# Altium PCB PCB_Kasli.PCBDOC (part 8 of 16)
Units mm, origin at the board's own origin, x right, y up, seen from the top; angles counter-clockwise.
Board outline 200.3 x 100 mm, 6 copper layers (TopLayer, MidLayer1, MidLayer2, SignalLayer1, Internal Plane 1, BottomLayer), stack 1.528 mm thick; 775 components, 636 nets, 3136 pads, 1724 vias.
Unrouted connection lines stored in the file: 7.
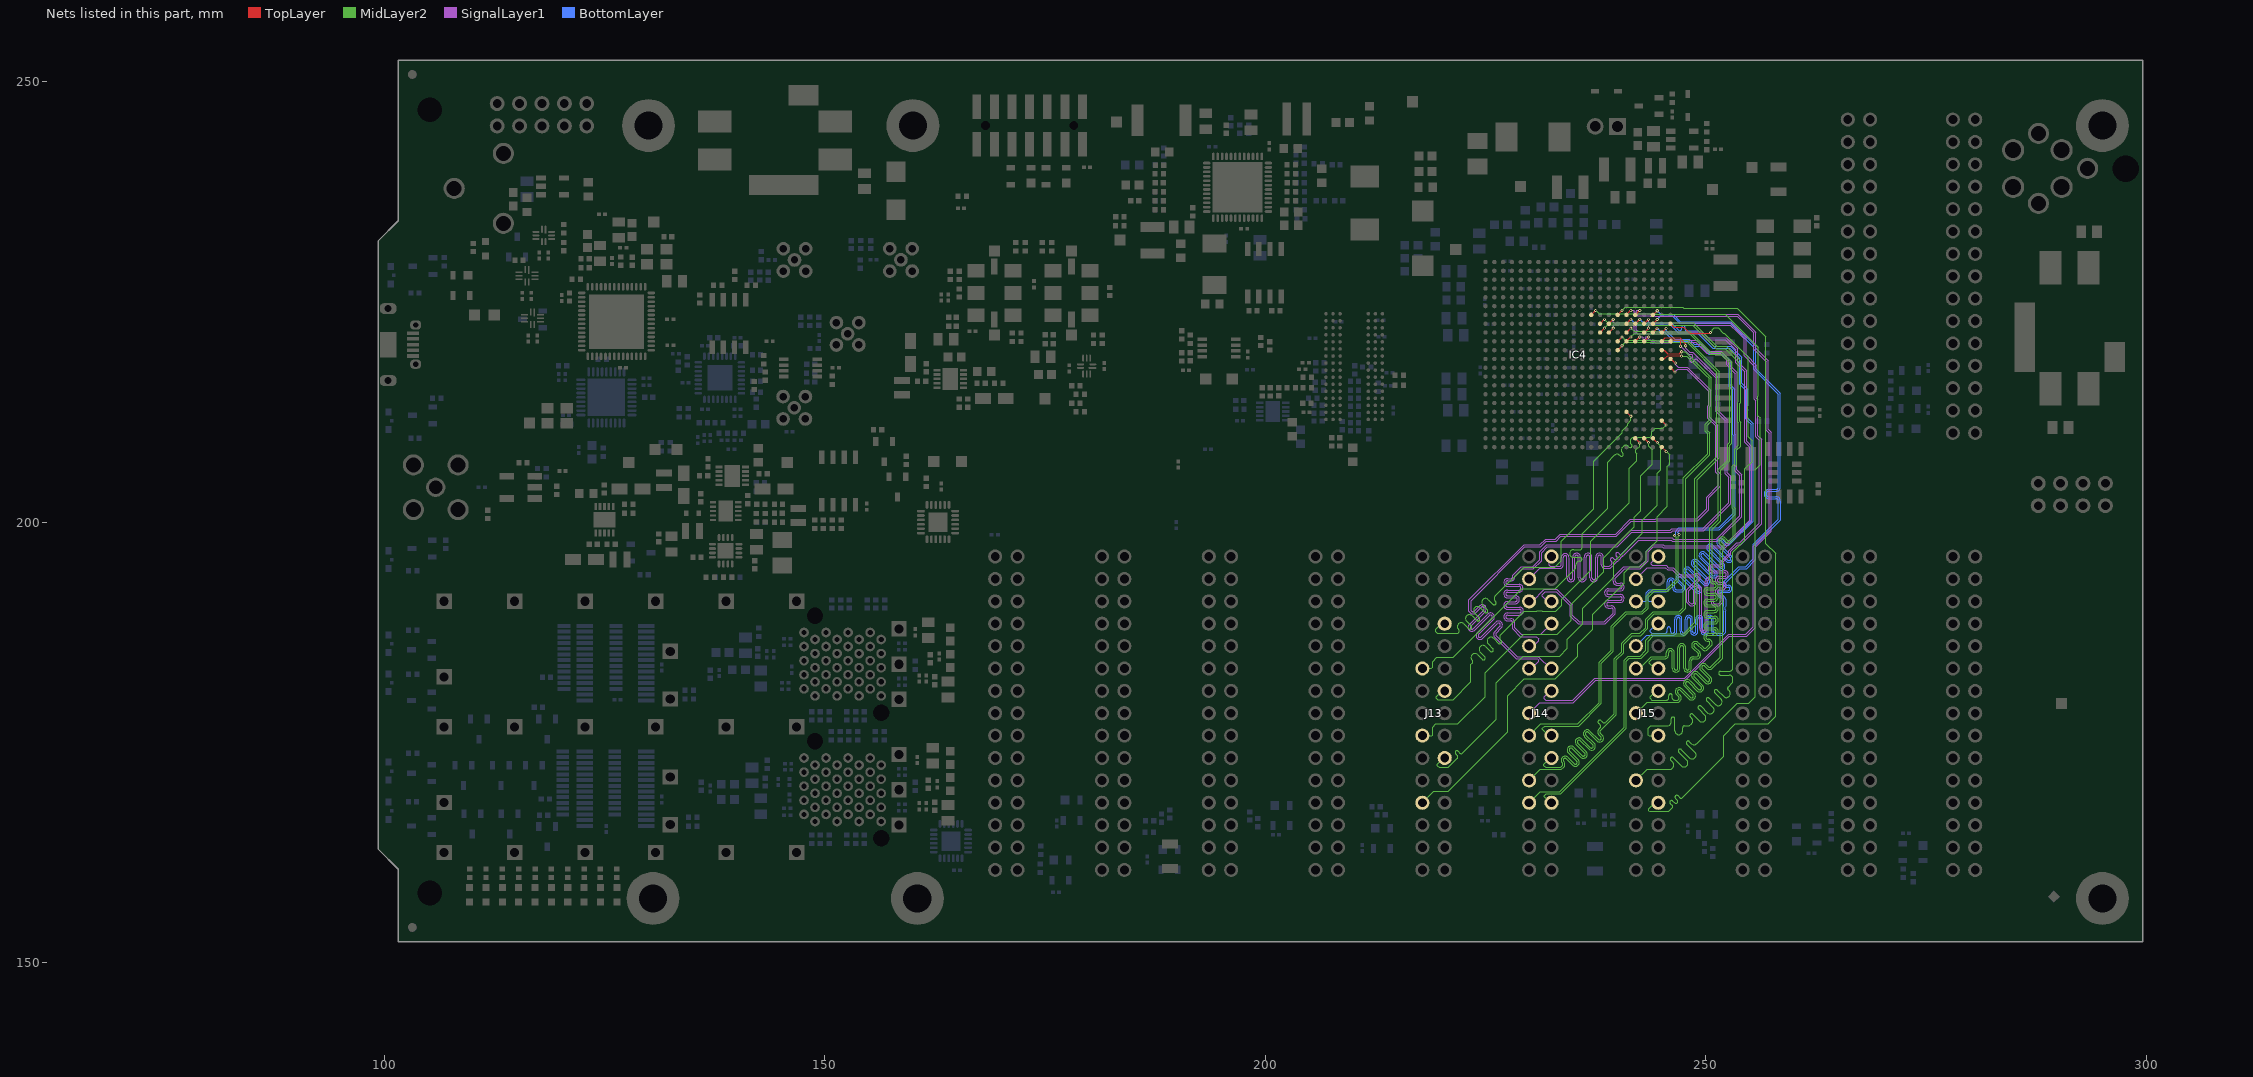
[diagram p12: the nets of this part, all layers, seen from the top]

## Via types
v1: diameter 0.5, hole 0.2, TopLayer to BottomLayer, tented both sides, 845 vias
v2: diameter 0.35, hole 0.15, TopLayer to BottomLayer, tented both sides, 612 vias
v3: diameter 0.8, hole 0.5, TopLayer to BottomLayer, tented both sides, 144 vias
v4: diameter 0.8, hole 0.5, TopLayer to BottomLayer, 66 vias
v5: diameter 0.5, hole 0.2, TopLayer to BottomLayer, 57 vias

## Nets (pads, with @x,y where several pads share a name; then routed paths per layer and width w, separated by ;. In a path a pad name is that pad's centre, name@x,y a point inside that pad or via, vN(x,y) a via of type N, cw(c..) or ccw(c..) an arc to the next point about the centre after c; other vN are vias at no path point) (continued)
EXT4.LVDS_P2: IC4.V17 J13.8 | length 47.9
  TopLayer w0.095: IC4.V17@240.991,212.515 v2(241.491,212.015)
  MidLayer2 w0.115: J13.8@219.993,188.468 219.358,187.833 219.358,187.579 219.536,187.401 221.87,187.401 221.96,187.491 ccw(c221.813,187.637) 222.021,187.637 ccw(c221.813,187.637) 221.96,187.784 221.924,187.819 cw(c222.237,188.132) 221.924,188.445 cw(c222.237,188.132) 222.55,188.445 223.081,187.915 ccw(c223.227,188.062) 223.374,187.914 ccw(c223.227,188.062) 223.435,188.062 ccw(c223.227,188.062) 223.374,188.208 222.844,188.739 cw(c223.157,189.051) 222.844,189.364 cw(c223.157,189.051) 223.469,189.364 224,188.834 ccw(c224.147,188.981) 224.293,188.834 ; 224.294,188.834 ccw(c224.147,188.981) 224.354,188.981 ccw(c224.147,188.981) 224.293,189.127 223.763,189.658 cw(c224.076,189.971) 223.763,190.284 cw(c224.076,189.971) 224.389,190.284 224.919,189.753 ccw(c225.066,189.9) 225.212,189.753 ; 225.213,189.753 ccw(c225.066,189.9) 225.273,189.9 ccw(c225.066,189.9) 225.212,190.047 224.682,190.577 cw(c224.995,190.89) 224.682,191.203 cw(c224.995,190.89) 225.308,191.203 225.838,190.673 ccw(c225.985,190.819) 226.131,190.672 ccw(c225.985,190.819) 226.193,190.819 ccw(c225.985,190.819) 226.132,190.966 226.096,191.001 cw(c226.409,191.314) 226.096,191.627 229.363,194.894 232.867,194.894 233.6,195.627 233.6,197.833 237.259,201.492 237.259,206.907 240.484,210.133 240.484,210.34 241.109,210.965 241.109,211.173 241.491,211.556 v2(241.491,212.015)
EXT4.LVDS_P3: IC4.W21 J13.11 | length 49.5
  TopLayer w0.095: IC4.W21@244.991,211.515 v2(245.491,211.015)
  MidLayer2 w0.115: J13.11@217.823,183.388 218.841,183.388 218.976,183.523 218.976,184.158 219.476,184.658 221.314,184.658 229.086,192.43 232.931,192.43 235.243,194.742 235.243,195.128 cw(c235.685,195.128) 235.685,195.571 235.735,195.571 ccw(c235.735,195.778) 235.943,195.778 ccw(c235.735,195.778) 235.735,195.986 234.985,195.986 cw(c234.985,196.428) 234.985,196.871 235.735,196.871 ccw(c235.735,197.078) 235.943,197.078 235.943,198.652 238.865,201.574 238.865,206.812 239.615,207.561 cw(c239.928,207.248) 240.241,207.561 240.276,207.526 ccw(c240.423,207.673) 240.569,207.526 ccw(c240.423,207.673) 240.63,207.673 ccw(c240.423,207.673) 240.57,207.819 240.534,207.855 cw(c240.847,208.168) 240.534,208.481 240.658,208.604 cw(c240.922,208.341) 241.185,208.604 241.27,208.52 ccw(c241.417,208.666) 241.563,208.519 ; 241.563,208.52 ccw(c241.417,208.666) 241.624,208.666 ccw(c241.417,208.666) 241.563,208.813 241.528,208.849 cw(c241.841,209.161) 241.528,209.474 241.686,209.632 242.315,209.632 242.339,209.608 242.656,209.608 242.68,209.632 243.663,209.632 243.874,209.843 243.874,210.271 244.236,210.632 245.109,210.632 v2(245.491,211.015)
EXT4.LVDS_P4: IC4.AA18 J13.14 | length 50.8
  TopLayer w0.095: IC4.AA18@241.991,209.515 242.497,209.009 v2(242.497,208.975)
  MidLayer2 w0.115: J13.14@220.363,180.848 220.069,180.848 219.409,180.188 219.409,180.01 219.587,179.832 221.314,179.832 223.339,181.858 223.339,183.841 223.498,183.999 ccw(c223.351,184.146) 223.558,184.146 ccw(c223.351,184.146) 223.498,184.293 223.462,184.328 cw(c223.775,184.641) 223.462,184.954 cw(c223.775,184.641) 224.088,184.954 224.618,184.423 ccw(c224.765,184.57) 224.911,184.423 ccw(c224.765,184.57) 224.973,184.57 ccw(c224.765,184.57) 224.912,184.717 224.381,185.247 cw(c224.694,185.56) 224.381,185.873 cw(c224.694,185.56) 225.007,185.873 225.538,185.343 ccw(c225.684,185.489) 225.831,185.343 ccw(c225.684,185.489) 225.892,185.489 ccw(c225.684,185.489) 225.831,185.636 225.301,186.166 cw(c225.614,186.479) 225.301,186.792 cw(c225.614,186.479) 225.926,186.792 226.457,186.262 ccw(c226.604,186.409) 226.75,186.261 ; 226.75,186.262 ccw(c226.604,186.409) 226.811,186.409 ccw(c226.604,186.409) 226.75,186.555 226.715,186.591 cw(c227.028,186.904) 226.715,187.216 229.363,189.865 230.813,189.865 230.874,189.927 231.386,189.927 231.448,189.865 232.97,189.865 233.662,190.557 233.662,191.242 236.954,194.534 236.954,197.836 240.746,201.629 241.325,202.208 241.325,206.127 242.171,206.972 242.171,207.729 242.023,207.877 242.023,208.193 242.247,208.417 242.353,208.417 242.497,208.562 v2(242.497,208.975)
EXT4.LVDS_P5: IC4.AA19 J13.17 | length 49.3
  TopLayer w0.095: IC4.AA19@242.991,209.515 v2(243.491,209.015)
  MidLayer2 w0.115: J13.17@217.823,175.768 218.908,175.768 218.976,175.835 218.976,176.722 219.342,177.089 221.822,177.089 224.94,180.207 224.94,182.927 229.313,187.3 233.148,187.3 234.732,188.884 234.732,190.687 238.402,194.357 238.402,195.972 239.953,197.524 241.894,199.465 241.894,200.572 242.586,201.264 242.586,205.236 243.913,206.563 243.913,208.193 243.491,208.615 v2(243.491,209.015)
EXT4.LVDS_P6: IC4.AA20 J13.20 | length 53.6
  TopLayer w0.095: IC4.AA20@243.991,209.515 v2(244.491,209.015)
  MidLayer2 w0.115: J13.20@220.222,173.228 219.536,172.542 219.536,172.364 219.714,172.187 220.778,172.187 221.667,173.075 221.793,173.201 ccw(c221.646,173.348) 221.793,173.495 221.592,173.696 cw(c221.738,173.843) 221.592,173.99 cw(c221.738,173.843) 221.885,173.99 222.086,173.788 ccw(c222.233,173.935) 222.38,173.788 222.527,173.935 222.82,174.228 222.944,174.353 223.091,174.499 223.318,174.726 226.235,177.643 226.235,181.752 229.268,184.785 233.402,184.785 234.291,185.673 234.291,186.715 236.014,188.438 236.014,190.216 239.519,193.722 239.519,195.449 242.796,198.725 242.796,200.222 244.463,201.89 244.463,205.538 244.874,205.948 244.874,208.632 v2(244.491,209.015)
EXT4.LVDS_P7: IC4.AB21 J13.23 | length 56.1
  TopLayer w0.095: IC4.AB21@244.991,208.515 v2(245.491,208.015)
  MidLayer2 w0.115: J13.23@217.823,168.148 219.119,169.443 220.753,169.443 227.505,176.196 227.505,180.31 229.414,182.22 232.894,182.22 235.453,184.779 235.453,186.154 237.157,187.858 237.157,189.528 240.713,193.084 240.713,194.23 241.428,194.945 242.65,194.945 243.234,195.529 243.234,196.649 244.459,197.874 244.459,199.416 244.463,199.42 244.463,199.799 244.459,199.803 244.459,200.627 245.64,201.808 245.64,206.34 245.874,206.574 245.874,207.632 v2(245.491,208.015)
EXT5.LVDS_N0: IC4.K19 J14.3 | length 76.2
  TopLayer w0.095: IC4.K19@242.991,220.515 v2(243.491,221.015)
  SignalLayer1 w0.115: J14.3@229.943,193.548 231.13,194.735 233.379,194.735 ccw(c233.379,195.178) 233.821,195.178 233.821,195.981 cw(c234.029,195.981) 234.236,195.981 234.236,193.678 ccw(c234.679,193.678) 235.121,193.678 235.121,196.028 cw(c235.329,196.028) 235.536,196.028 235.536,193.678 ccw(c235.979,193.678) 236.421,193.678 236.421,196.028 cw(c236.629,196.028) 236.836,196.028 236.836,193.678 ccw(c237.279,193.678) 237.721,193.678 237.721,196.028 cw(c237.929,196.028) 238.136,196.028 238.136,195.178 ccw(c238.579,195.178) 238.579,194.735 239.143,194.735 239.375,194.968 239.403,194.968 239.477,195.042 ; 239.476,195.043 239.502,195.069 239.502,195.074 239.525,195.096 239.525,195.104 239.546,195.125 239.546,195.127 239.566,195.148 239.566,195.159 239.948,195.54 239.959,195.54 239.973,195.555 239.99,195.555 240.064,195.629 240.139,195.704 240.139,195.72 240.153,195.735 240.153,195.745 240.535,196.127 240.545,196.127 240.566,196.148 240.568,196.148 240.589,196.168 240.597,196.168 240.62,196.191 240.624,196.191 240.65,196.217 ; 240.651,196.216 240.726,196.29 240.726,196.318 242.37,197.962 246.08,197.962 246.2,197.842 251.291,197.842 251.411,197.962 252.553,199.104 253.337,199.888 254.075,200.626 254.075,205.364 253.514,205.925 253.514,208.186 253.585,208.257 253.585,216.94 252.595,217.93 252.595,218.509 251.729,219.375 250.224,219.375 248.967,220.633 246.022,220.633 245.971,220.581 243.799,220.581 243.712,220.668 243.294,220.668 243.109,220.852 243.109,220.948 243.176,221.015 v2(243.491,221.015) ; v2@243.423,220.946 v2@243.491,220.946
EXT5.LVDS_N1: IC4.H15 J14.6 | length 79
  TopLayer w0.095: IC4.H15@238.991,222.515 v2(239.491,223.015)
  SignalLayer1 w0.115: J14.6@232.483,191.008 231.986,191.008 231.423,191.571 231.423,191.77 231.772,192.119 232.998,192.119 234.617,190.5 234.617,189.336 235.517,188.436 238.582,188.436 239.729,189.583 239.729,190.043 ccw(c239.286,190.043) 239.286,190.485 238.936,190.485 cw(c238.936,190.693) 238.936,190.9 240.286,190.9 ccw(c240.286,191.343) 240.729,191.343 ccw(c240.286,191.343) 240.286,191.785 238.936,191.785 cw(c238.936,191.993) 238.936,192.2 240.286,192.2 ccw(c240.286,192.643) 240.729,192.643 ccw(c240.286,192.643) 240.286,193.085 239.912,193.085 cw(c239.912,193.269) 239.729,193.269 239.729,193.643 240.77,194.685 242.557,194.685 243.463,195.59 243.463,196.612 244.046,197.196 245.061,197.196 245.184,197.072 252.196,197.072 255.225,200.101 255.225,208.575 254.637,209.163 254.637,217.163 253.611,218.189 253.611,219.646 252.323,220.934 250.195,220.934 249.533,221.597 244.31,221.597 244.274,221.633 242.333,221.633 242.109,221.857 242.109,222.251 241.8,222.56 241.797,222.56 241.727,222.63 241.727,222.633 241.333,222.633 239.559,222.633 239.491,222.7 v2(239.491,223.015)
EXT5.LVDS_N2: IC4.K22 J14.9 | length 73
  TopLayer w0.095: IC4.K22@245.991,220.515 246.151,220.675 246.969,220.675 247.131,220.514 v2(247.131,219.961)
  SignalLayer1 w0.115: J14.9@230.407,185.928 231.017,186.538 231.017,186.766 230.769,187.014 228.938,187.014 228.064,187.888 228.064,188.595 ccw(c227.856,188.595) 227.856,188.803 227.506,188.803 cw(c227.506,189.245) 227.506,189.688 228.856,189.688 ccw(c228.856,189.895) 229.064,189.895 ccw(c228.856,189.895) 228.856,190.103 227.506,190.103 cw(c227.506,190.545) 227.506,190.988 228.404,190.988 ccw(c228.404,191.195) 228.611,191.195 ccw(c228.404,191.195) 228.404,191.403 227.506,191.403 cw(c227.506,191.845) 227.506,192.288 228.805,192.288 ccw(c228.805,192.495) 229.013,192.495 ccw(c228.805,192.495) 228.805,192.703 227.506,192.703 cw(c227.506,193.145) 227.506,193.588 227.931,193.588 ccw(c227.931,193.72) 228.064,193.72 228.064,193.944 229.04,194.92 230.34,194.92 231.14,195.719 231.14,196.644 231.926,197.431 239.825,197.431 241.487,199.092 245.975,199.092 246.133,199.25 249.65,199.25 252.6,202.2 252.6,205.095 252.19,205.505 252.19,211.503 251.166,212.526 251.166,216.297 249.304,218.16 249.038,218.426 ccw(c248.891,218.279) 248.744,218.426 248.543,218.224 cw(c248.396,218.371) 248.249,218.224 cw(c248.396,218.371) 248.249,218.518 248.451,218.719 ccw(c248.304,218.866) 248.451,219.013 ; v2@247.062,219.892 v2@247.131,219.892 ; v2(247.131,219.961) 247.172,219.961 248.082,219.05 248.413,219.05
EXT5.LVDS_N3: IC4.M22 J14.12 | length 78.3
  TopLayer w0.095: IC4.M22@245.991,218.515 246.446,218.06 v2(246.531,218.06)
  SignalLayer1 w0.115: 223.294,187.897 ccw(c223.44,188.044) 223.587,187.897 225.249,189.559 cw(c225.562,189.246) 225.875,189.559 cw(c225.562,189.246) 226.004,189.246 cw(c225.562,189.246) 225.875,188.933 224.213,187.272 ccw(c224.36,187.125) 224.213,186.978 ccw(c224.36,187.125) 224.506,186.978 226.168,188.64 cw(c226.481,188.327) 226.924,188.327 cw(c226.481,188.327) 226.794,188.014 226.193,187.413 ccw(c226.34,187.266) 226.193,187.12 228.578,184.734 230.968,184.734 232.314,183.388 J14.12@232.483,183.388 ; 223.294,187.897 cw(c223.44,188.044) 223.294,188.191 224.955,189.853 ccw(c224.643,190.165) 225.085,190.165 ccw(c224.643,190.165) 224.955,190.478 ccw(c224.643,190.165) 224.33,190.478 223.729,189.877 cw(c223.582,190.024) 223.435,189.877 223.346,189.967 223.346,191.076 229.469,197.2 231.259,197.2 231.901,197.842 232.995,197.842 233.552,198.399 239.844,198.399 241.526,200.082 244.334,200.082 244.403,200.15 249.069,200.15 250.309,201.39 250.309,202.75 251.662,204.103 251.662,205.445 251.35,205.757 251.35,211.007 250.459,211.899 250.459,213.087 250.562,213.19 250.562,214.182 250.562,214.935 247.911,217.586 246.867,217.586 v2@246.462,217.992
EXT5.LVDS_N4: IC4.G18 J14.15 | length 80.4
  TopLayer w0.095: IC4.G18@241.991,223.515 v2(242.491,224.015)
  SignalLayer1 w0.11: 243.4,223.635 243.715,223.635 243.747,223.603 243.775,223.603
  SignalLayer1 w0.115: J14.15@229.943,178.308 231.155,179.521 234.973,179.521 237.497,182.045 247.683,182.045 252.676,187.039 254.651,187.039 255.614,188.002 255.614,197.163 257.4,198.949 257.4,210.202 257.077,210.525 257.077,218.309 255.668,219.718 255.668,221.571 253.636,223.603 243.775,223.603 ; v2(242.491,224.015) 242.176,224.015 242.109,223.948 242.109,223.852 242.294,223.668 243.155,223.668 243.187,223.635 243.4,223.635
EXT5.LVDS_N5: IC4.J21 J14.18 | length 69.2
  TopLayer w0.095: IC4.J21@244.991,221.515 245.481,222.005 245.495,221.992 v2(245.495,221.98)
  MidLayer2 w0.115: J14.18@232.483,175.768 232.151,175.768 231.448,176.472 231.448,176.607 231.694,176.854 235.582,176.854 238.155,179.427 238.155,183.997 239.507,185.348 239.507,188.068 241.014,189.576 242.794,189.576 243.463,190.244 243.463,191.491 244.122,192.15 245.674,192.15 246.893,193.369 246.893,198.381 246.969,198.457 v2(246.969,198.6)
  BottomLayer w0.095: v2(245.495,221.98) 245.495,221.704 246.448,220.75 248.136,220.75 248.699,220.187 249.508,220.187 250.4,219.295 251.83,219.295 252.869,218.256 252.869,215.475 253.259,215.086 253.259,209.977 253.312,209.924 253.312,200.899 251.533,199.119 247.04,199.119 246.792,198.871 246.792,198.783 246.969,198.605 v2(246.969,198.6)
EXT5.LVDS_N6: IC4.L21 J14.21 | length 78.1
  TopLayer w0.095: IC4.L21@244.991,219.515 245.289,219.515 245.679,219.125 246.994,219.125 247.204,219.335 v2(247.256,219.335)
  MidLayer2 w0.115: J14.21@229.943,170.688 231.181,171.926 233.601,171.926 233.875,172.2 ccw(c233.562,172.513) 234.005,172.513 ccw(c233.562,172.513) 233.875,172.826 ; 233.866,173.128 ccw(c234.013,172.982) 233.866,172.835 ; 233.866,173.129 cw(c234.013,172.982) 234.16,173.129 234.876,172.413 ccw(c235.189,172.725) 235.631,172.725 ccw(c235.189,172.725) 235.502,173.038 234.547,173.993 cw(c234.694,174.14) 234.546,174.286 ; 234.547,174.286 cw(c234.694,174.14) 234.84,174.286 235.795,173.332 ccw(c236.108,173.645) 236.55,173.645 ccw(c236.108,173.645) 236.421,173.958 235.466,174.912 cw(c235.613,175.059) 235.466,175.205 cw(c235.613,175.059) 235.76,175.206 236.714,174.251 ccw(c237.027,174.564) 237.47,174.564 ccw(c237.027,174.564) 237.34,174.877 236.385,175.831 cw(c236.532,175.978) 236.385,176.124 cw(c236.532,175.978) 236.679,176.125 237.633,175.17 ccw(c237.946,175.483) 238.389,175.483 ccw(c237.946,175.483) 238.259,175.796 238.012,176.044 cw(c238.158,176.19) 238.012,176.337 239.837,178.162 239.837,184.367 240.669,185.199 240.669,186.131 241.663,187.125 242.618,187.125 243.418,187.926 243.418,188.881 244.148,189.611 247.095,189.611 247.691,190.207 247.691,204.918 250.429,207.656 250.429,210.114 250.36,210.182 250.16,210.382 250.16,210.998 250.606,211.445 250.606,216.401 250.169,216.839 ; v2(247.256,219.335) 247.656,219.335 250.161,216.831
EXT5.LVDS_N7: IC4.K16 J14.24 | length 74.8
  TopLayer w0.095: IC4.K16@239.991,220.515 v2(240.491,221.015)
  MidLayer2 w0.115: J14.24@232.483,168.148 232.321,168.148 231.644,168.825 231.644,168.925 231.902,169.183 233.525,169.183 240.948,176.606 240.948,184.22 241.278,184.55 242.646,184.55 243.437,185.342 243.437,186.487 244.04,187.09 247.571,187.09 249,188.519 249,204.828 251.496,207.325 251.496,217.09 248.323,220.263 248.323,220.266 247.957,220.633 244.714,220.633 244.662,220.581 244.346,220.581 244.294,220.633 240.874,220.633 v2(240.491,221.015)
EXT5.LVDS_P0: IC4.K18 J14.2 | length 75.2
  TopLayer w0.095: IC4.K18@241.991,220.515 v2(242.491,221.015)
  SignalLayer1 w0.115: J14.2@232.236,195.841 232.236,195.097 232.363,194.97 233.379,194.97 ccw(c233.379,195.178) 233.586,195.178 233.586,195.981 cw(c234.029,195.981) 234.471,195.981 234.471,193.678 ccw(c234.679,193.678) 234.886,193.678 234.886,196.028 cw(c235.329,196.028) 235.771,196.028 235.771,193.678 ccw(c235.979,193.678) 236.186,193.678 236.186,196.028 cw(c236.629,196.028) 237.071,196.028 237.071,193.678 ccw(c237.279,193.678) 237.486,193.678 237.486,196.028 cw(c237.929,196.028) 238.371,196.028 238.371,195.178 ccw(c238.579,195.178) 238.579,194.97 239.046,194.97 239.297,195.222 ccw(c239.151,195.369) 239.297,195.515 239.22,195.593 cw(c239.367,195.74) 239.22,195.886 cw(c239.367,195.74) 239.513,195.886 239.591,195.809 ccw(c239.738,195.956) 239.884,195.809 ccw(c239.738,195.956) 239.884,196.102 239.807,196.18 cw(c239.954,196.326) 239.807,196.473 cw(c239.954,196.326) 240.1,196.473 240.178,196.396 ccw(c240.324,196.543) 240.471,196.396 240.575,196.5 242.273,198.197 246.177,198.197 246.297,198.077 251.194,198.077 253.102,199.985 253.84,200.724 253.84,205.267 253.279,205.828 253.279,208.284 253.35,208.354 253.35,216.843 252.36,217.833 252.36,218.411 251.631,219.14 250.127,219.14 248.869,220.398 246.12,220.398 246.068,220.346 243.701,220.346 243.615,220.433 243.196,220.433 242.874,220.755 242.874,220.948 242.807,221.015 v2(242.491,221.015) ; v2@242.423,220.946 v2@242.491,220.946
EXT5.LVDS_P1: IC4.J15 J14.5 | length 78.7
  TopLayer w0.095: IC4.J15@238.991,221.515 v2(239.491,222.015)
  SignalLayer1 w0.115: J14.5@229.943,191.008 230.329,191.008 231.675,192.354 233.095,192.354 234.852,190.597 234.852,189.433 235.614,188.671 238.484,188.671 239.494,189.681 239.494,190.043 ccw(c239.286,190.043) 239.286,190.25 238.936,190.25 cw(c238.936,190.693) 238.936,191.135 240.286,191.135 ccw(c240.286,191.343) 240.494,191.343 ccw(c240.286,191.343) 240.286,191.55 238.936,191.55 cw(c238.936,191.993) 238.936,192.435 240.286,192.435 ccw(c240.286,192.643) 240.494,192.643 ccw(c240.286,192.643) 240.286,192.85 239.912,192.85 cw(c239.912,193.269) 239.494,193.269 239.494,193.741 240.673,194.92 242.46,194.92 243.228,195.687 243.228,196.71 243.949,197.431 244.046,197.431 245.158,197.431 245.281,197.307 252.099,197.307 254.096,199.304 254.99,200.199 254.99,208.478 254.402,209.065 254.402,217.065 253.376,218.092 253.376,219.549 252.225,220.699 250.098,220.699 249.435,221.362 244.212,221.362 244.177,221.398 242.236,221.398 241.874,221.759 241.874,222.153 241.703,222.325 241.7,222.325 241.627,222.398 241.236,222.398 239.559,222.398 239.491,222.33 v2(239.491,222.015) v2@239.423,221.946
EXT5.LVDS_P2: IC4.K21 J14.8 | length 73.8
  TopLayer w0.095: IC4.K21@244.991,220.515 245.401,220.925 247.031,220.925 247.351,220.605 247.351,220.514 247.706,220.159 v2(247.706,220.011)
  SignalLayer1 w0.115: J14.8@232.483,188.468 231.263,187.249 229.035,187.249 228.299,187.985 228.299,188.595 ccw(c227.856,188.595) 227.856,189.038 227.506,189.038 cw(c227.506,189.245) 227.506,189.453 228.856,189.453 ccw(c228.856,189.895) 229.299,189.895 ccw(c228.856,189.895) 228.856,190.338 227.506,190.338 cw(c227.506,190.545) 227.506,190.753 228.404,190.753 ccw(c228.404,191.195) 228.846,191.195 ccw(c228.404,191.195) 228.404,191.638 227.506,191.638 cw(c227.506,191.845) 227.506,192.053 228.805,192.053 ccw(c228.805,192.495) 229.248,192.495 ccw(c228.805,192.495) 228.805,192.938 227.506,192.938 cw(c227.506,193.145) 227.506,193.353 227.931,193.353 ccw(c227.931,193.72) 228.299,193.72 228.299,193.846 229.137,194.685 230.438,194.685 231.375,195.622 231.375,196.547 232.024,197.196 239.922,197.196 241.584,198.857 246.072,198.857 246.23,199.015 249.747,199.015 252.835,202.103 252.835,205.192 252.425,205.602 252.425,211.6 251.401,212.624 251.401,216.395 248.51,219.285 248.179,219.285 247.711,219.754 247.711,220.006 v2(247.706,220.011) ; v2@247.637,219.942 v2@247.706,219.942
EXT5.LVDS_P3: IC4.N22 J14.11 | length 77.8
  TopLayer w0.095: IC4.N22@245.991,217.515 v2(246.491,217.015)
  SignalLayer1 w0.115: 225.708,189.393 cw(c225.562,189.246) 225.769,189.246 cw(c225.562,189.246) 225.708,189.099 224.047,187.438 ccw(c224.36,187.125) 224.047,186.812 ccw(c224.36,187.125) 224.673,186.812 226.334,188.474 cw(c226.481,188.327) 226.628,188.474 cw(c226.481,188.327) 226.689,188.327 cw(c226.481,188.327) 226.628,188.18 226.027,187.579 ccw(c226.34,187.266) 226.027,186.953 228.481,184.499 230.871,184.499 231.019,184.35 231.019,184.2 230.207,183.388 J14.11@229.943,183.388 ; 225.708,189.393 ccw(c225.562,189.246) 225.415,189.393 223.753,187.731 cw(c223.44,188.044) 223.128,187.731 cw(c223.44,188.044) 223.128,188.357 224.789,190.019 ccw(c224.643,190.165) 224.85,190.165 ccw(c224.643,190.165) 224.789,190.312 ccw(c224.643,190.165) 224.496,190.312 223.895,189.711 cw(c223.582,190.024) 223.269,189.711 223.111,189.869 223.111,191.174 229.372,197.435 231.162,197.435 231.804,198.077 232.898,198.077 233.455,198.634 239.746,198.634 241.429,200.317 244.237,200.317 244.305,200.385 248.972,200.385 250.074,201.487 250.074,202.847 251.427,204.2 251.427,205.348 251.115,205.66 251.115,210.91 250.224,211.801 250.224,213.184 250.327,213.287 250.327,214.838 247.813,217.351 246.828,217.351 v2(246.491,217.015)
EXT5.LVDS_P4: IC4.G17 J14.14 | length 79.2
  TopLayer w0.095: IC4.G17@240.991,223.515 v2(241.491,224.015)
  SignalLayer1 w0.11: 243.4,223.4 243.644,223.4 243.676,223.368 243.775,223.368
  SignalLayer1 w0.115: J14.14@232.483,180.848 232.337,180.848 231.652,180.162 231.652,179.959 231.855,179.756 234.875,179.756 237.404,182.284 241.6,182.284 241.603,182.28 247.585,182.28 252.579,187.274 254.554,187.274 255.379,188.099 255.379,197.26 255.972,197.853 257.165,199.046 257.165,210.104 256.842,210.428 256.842,218.212 255.583,219.47 255.433,219.62 255.433,221.474 253.539,223.368 243.775,223.368 ; v2(241.491,224.015) 241.807,224.015 241.874,223.948 241.874,223.755 242.196,223.432 243.058,223.432 243.09,223.4 243.4,223.4
EXT5.LVDS_P5: IC4.J20 J14.17 | length 69.8
  TopLayer w0.095: IC4.J20@243.991,221.515 v2(244.462,221.986)
  MidLayer2 w0.115: J14.17@229.943,175.768 231.263,177.089 235.485,177.089 237.92,179.524 237.92,184.094 239.272,185.445 239.272,188.165 240.917,189.811 242.697,189.811 243.228,190.341 243.228,191.588 244.025,192.385 245.576,192.385 246.658,193.466 246.658,198.258 v2(246.456,198.46)
  BottomLayer w0.095: v2(244.462,221.986) 244.481,221.986 244.876,221.59 245.297,221.59 246.357,220.53 248.045,220.53 248.608,219.967 249.417,219.967 250.309,219.075 251.739,219.075 252.649,218.164 252.649,215.384 253.039,214.994 253.039,209.886 253.092,209.833 253.092,200.99 251.442,199.339 246.949,199.339 246.572,198.962 246.572,198.643 246.456,198.527 v2(246.456,198.46)
EXT5.LVDS_P6: IC4.M21 J14.20 | length 77.3
  TopLayer w0.095: IC4.M21@244.991,218.515 245.289,218.515 245.679,218.905 247.161,218.905 v2@247.202,218.864 ; v2(247.231,218.835) v2@247.231,218.938
  MidLayer2 w0.115: J14.20@232.287,173.228 231.601,172.542 231.601,172.364 231.804,172.161 233.504,172.161 233.709,172.367 ccw(c233.562,172.513) 233.77,172.513 ccw(c233.562,172.513) 233.709,172.66 ; 233.7,172.669 cw(c234.013,172.982) 234.326,173.295 235.042,172.579 ccw(c235.189,172.725) 235.335,172.578 ; 235.335,172.579 ccw(c235.189,172.725) 235.396,172.725 ccw(c235.189,172.725) 235.335,172.872 234.381,173.827 cw(c234.694,174.14) 235.007,174.453 235.961,173.498 ccw(c236.108,173.645) 236.254,173.497 ; 236.255,173.498 ccw(c236.108,173.645) 236.315,173.645 ccw(c236.108,173.645) 236.255,173.791 235.3,174.746 cw(c235.613,175.059) 235.926,175.372 236.88,174.417 ccw(c237.027,174.564) 237.173,174.417 ccw(c237.027,174.564) 237.235,174.564 ccw(c237.027,174.564) 237.174,174.711 236.219,175.665 cw(c236.532,175.978) 236.845,176.291 237.8,175.336 ccw(c237.946,175.483) 238.093,175.336 ccw(c237.946,175.483) 238.154,175.483 ccw(c237.946,175.483) 238.093,175.63 237.846,175.877 cw(c238.158,176.19) 237.846,176.503 238.017,176.675 ccw(c237.871,176.822) 238.017,176.968 237.816,177.17 cw(c237.963,177.317) 237.816,177.463 cw(c237.963,177.317) 238.109,177.463 238.311,177.262 ccw(c238.458,177.409) 238.604,177.262 238.681,177.338 239.602,178.259 239.602,184.465 240.434,185.296 240.434,186.229 241.566,187.36 242.521,187.36 243.183,188.023 243.183,188.978 244.051,189.846 246.997,189.846 247.456,190.304 247.456,205.016 250.194,207.754 250.194,210.016 249.925,210.285 249.925,211.096 250.371,211.542 250.371,216.304 249.934,216.742 ; v2(247.231,218.835) 247.824,218.835 249.926,216.733
EXT5.LVDS_P7: IC4.L16 J14.23 | length 74.9
  TopLayer w0.095: IC4.L16@239.991,219.515 v2(240.491,220.015)
  MidLayer2 w0.115: J14.23@229.943,168.148 231.213,169.418 233.427,169.418 240.713,176.704 240.713,184.317 241.181,184.785 242.548,184.785 243.202,185.439 243.202,186.584 243.943,187.325 247.474,187.325 248.765,188.616 248.765,204.926 251.261,207.422 251.261,216.993 248.088,220.166 248.088,220.169 247.86,220.398 244.811,220.398 244.76,220.346 244.248,220.346 244.197,220.398 240.874,220.398 v2(240.491,220.015)
EXT6.LVDS_N0: IC4.H19 J15.3 | length 82.5
  TopLayer w0.095: IC4.H19@242.991,222.515 v2(243.491,223.015)
  SignalLayer1 w0.115: J15.3@242.062,193.548 243.357,194.843 245.387,194.843 245.648,194.583 246.178,194.583 246.967,193.793 248.729,193.793 248.797,193.862 cw(c248.944,193.715) 249.09,193.862 ; v2(243.491,223.015) 243.491,222.7 243.559,222.633 243.731,222.633 244.293,222.633 244.322,222.603 252.886,222.603 254.586,220.904 254.586,218.964 255.738,217.812 255.738,214.034 255.91,213.862 255.91,209.8 256.314,209.396 256.314,199.794 253.944,197.425 253.594,197.425 252.844,196.675 252.844,196.325 251.994,195.475 251.994,195.349 cw(c251.553,195.349) 251.553,194.908 250.702,194.908 ccw(c250.702,194.7) 250.702,194.493 252.111,194.493 cw(c252.111,194.05) 252.553,194.05 cw(c252.111,194.05) 252.111,193.608 251.505,193.608 ccw(c251.505,193.4) 251.505,193.193 251.877,193.193 cw(c251.877,192.782) 252.287,192.782 252.287,192.718 cw(c251.877,192.718) 251.877,192.308 251.51,192.308 ccw(c251.51,192.1) 251.51,191.893 251.552,191.893 cw(c251.552,191.45) 251.994,191.45 251.994,190.955 251.533,190.494 251.04,190.494 cw(c251.04,190.936) 250.598,190.936 250.598,193.286 ccw(c250.39,193.286) 250.183,193.286 250.183,187.936 cw(c249.74,187.936) 249.298,187.936 249.298,192.341 ccw(c249.09,192.341) 248.883,192.341 248.883,190.936 cw(c248.44,190.936) 248.44,190.494 248.217,190.494 247.82,190.89 247.82,192.298 249.091,193.569 ccw(c248.944,193.715) 249.152,193.715 ccw(c248.944,193.715) 249.091,193.862
EXT6.LVDS_N1: IC4.H18 J15.6 | length 82.6
  TopLayer w0.095: IC4.H18@241.991,222.515 v2(242.491,223.015)
  BottomLayer w0.095: v2(242.491,223.015) 242.881,222.625 244.315,222.625 244.326,222.613 246.047,222.613 246.951,221.709 247.044,221.709 ccw(c247.044,221.907) 247.242,221.907 247.242,222.1 cw(c247.439,222.1) 247.439,222.297 cw(c247.439,222.1) 247.637,222.1 247.637,221.907 ccw(c247.834,221.907) 247.834,221.709 248.032,221.709 248.119,221.709 249.135,221.709 250.899,219.945 252.824,219.945 254.069,218.7 254.069,215.745 254.735,215.079 254.735,212.726 254.744,212.717 254.744,211.794 254.918,211.62 255.369,211.169 255.369,200.114 252.726,197.471 cw(c252.431,197.766) 252.136,197.471 251.776,197.831 ccw(c251.636,197.691) 251.497,197.831 ccw(c251.636,197.691) 251.497,197.551 252.917,196.131 cw(c252.622,195.836) 253.04,195.836 cw(c252.622,195.836) 252.917,195.54 cw(c252.622,195.836) 252.327,195.54 250.64,197.227 ccw(c250.501,197.087) 250.361,197.227 ; J15.6@244.602,191.008 243.498,191.008 243.442,191.064 243.442,191.9 243.651,192.109 245.01,192.109 245.418,192.109 ccw(c245.418,192.526) 245.836,192.526 245.836,193.236 cw(c246.033,193.236) 246.033,193.434 cw(c246.033,193.236) 246.231,193.236 246.231,192.526 ccw(c246.648,192.526) 246.648,192.109 247.364,192.109 247.508,192.252 ccw(c247.213,192.548) 247.63,192.548 ccw(c247.213,192.548) 247.508,192.843 246.882,193.469 cw(c247.022,193.608) 246.882,193.747 cw(c247.022,193.608) 247.161,193.748 248.848,192.061 ccw(c249.143,192.357) 249.438,192.061 ccw(c249.143,192.357) 249.561,192.357 ccw(c249.143,192.357) 249.438,192.652 247.752,194.338 cw(c247.892,194.478) 247.751,194.617 cw(c247.892,194.478) 248.031,194.618 249.718,192.931 ccw(c250.013,193.226) 250.308,192.931 ccw(c250.013,193.226) 250.43,193.226 ccw(c250.013,193.226) 250.308,193.522 248.622,195.208 cw(c248.761,195.348) 248.621,195.487 cw(c248.761,195.348) 248.901,195.487 250.587,193.801 ccw(c250.883,194.096) 251.3,194.096 ccw(c250.883,194.096) 251.178,194.391 249.491,196.078 cw(c249.631,196.217) 249.491,196.357 cw(c249.631,196.217) 249.771,196.357 251.457,194.671 ccw(c251.752,194.966) 252.048,194.671 ccw(c251.752,194.966) 252.17,194.966 ccw(c251.752,194.966) 252.048,195.261 250.361,196.948 cw(c250.501,197.087) 250.361,197.226
EXT6.LVDS_N2: IC4.G20 J15.9 | length 79.6
  TopLayer w0.095: IC4.G20@243.991,223.515 244.462,223.986 v2(244.481,223.986)
  BottomLayer w0.095: J15.9@242.062,185.928 243.315,187.181 246.287,187.181 ccw(c246.287,187.589) 246.695,187.589 246.695,188.994 cw(c246.882,188.994) 247.07,188.994 247.07,187.589 ccw(c247.477,187.589) 247.885,187.589 247.885,188.994 cw(c248.072,188.994) 248.26,188.994 248.26,187.589 ccw(c248.667,187.589) 249.075,187.589 249.075,188.994 cw(c249.262,188.994) 249.45,188.994 249.45,187.589 ccw(c249.857,187.589) 250.265,187.589 250.265,188.994 cw(c250.452,188.994) 250.64,188.994 250.64,187.589 ccw(c251.047,187.589) 251.047,187.181 251.929,187.181 252.251,187.503 252.251,189.967 252.172,190.046 252.172,190.354 252.251,190.433 252.251,191.233 ccw(c251.844,191.233) 251.844,191.64 251.739,191.64 cw(c251.739,191.828) 251.739,192.015 252.544,192.015 ccw(c252.544,192.423) 252.951,192.423 ccw(c252.544,192.423) 252.544,192.83 252.439,192.83 cw(c252.439,193.018) 252.251,193.018 252.251,193.13 253.851,194.73 254.616,194.73 255.545,195.659 255.674,195.788 255.674,197.443 258.459,200.228 258.459,202.374 ccw(c257.941,202.374) 257.941,202.891 257.123,202.891 cw(c257.123,203.189) 256.825,203.189 cw(c257.123,203.189) 257.123,203.486 257.941,203.486 ccw(c257.941,204.004) 258.459,204.004 258.459,204.519 258.459,214.597 255.644,217.411 255.644,219.961 252.844,222.761 250.861,222.761 247.119,222.761 246.27,223.61 244.856,223.61 v2(244.481,223.986)
EXT6.LVDS_N3: IC4.J17 J15.12 | length 79
  TopLayer w0.095: IC4.J17@240.991,221.515 v2(241.481,222.005)
  MidLayer2 w0.115: v2(241.481,222.005) 241.501,222.005 241.874,221.633 244.274,221.633 244.304,221.603 244.621,221.603 244.635,221.618 245.315,221.618 245.336,221.597 245.653,221.597 245.674,221.618 248.246,221.618 250.566,219.297 251.806,219.297 252.943,218.161 252.943,208.961 252.717,208.734 252.717,206.949 251.662,205.894 251.662,200.172 250.702,199.212 250.702,193.429 ccw(c250.909,193.429) 250.909,193.221 250.959,193.221 cw(c250.959,192.779) 251.402,192.779 cw(c250.959,192.779) 250.959,192.336 250.209,192.336 ccw(c250.209,192.129) 250.209,191.921 250.959,191.921 cw(c250.959,191.479) 251.402,191.479 cw(c250.959,191.479) 250.959,191.036 250.209,191.036 ccw(c250.209,190.829) 250.209,190.621 250.959,190.621 cw(c250.959,190.179) 251.402,190.179 cw(c250.959,190.179) 250.959,189.736 250.209,189.736 ccw(c250.209,189.529) 250.209,189.321 250.959,189.321 cw(c250.959,188.879) 251.402,188.879 cw(c250.959,188.879) 250.959,188.436 250.209,188.436 ccw(c250.209,188.229) 250.209,188.021 250.959,188.021 cw(c250.959,187.579) 251.402,187.579 cw(c250.959,187.579) 250.959,187.136 250.209,187.136 ccw(c250.209,186.929) 250.209,186.721 250.259,186.721 cw(c250.259,186.279) 250.702,186.279 250.702,186.055 250.198,185.551 cw(c249.885,185.864) 249.572,185.551 248.971,186.152 ccw(c248.824,186.006) 248.678,186.152 ; J15.12@244.602,183.388 244.181,183.388 243.594,183.975 243.594,184.155 243.913,184.474 245.317,184.474 ccw(c245.317,184.916) 245.759,184.916 245.759,185.193 cw(c245.967,185.193) 246.174,185.193 246.174,183.416 ccw(c246.617,183.416) 247.059,183.416 247.059,185.766 cw(c247.267,185.766) 247.474,185.766 247.474,183.416 ccw(c247.917,183.416) 248.359,183.416 248.359,184.266 cw(c248.567,184.266) 248.567,184.474 249.12,184.474 249.279,184.632 ccw(c248.966,184.945) 249.408,184.945 ccw(c248.966,184.945) 249.279,185.258 248.678,185.859 cw(c248.824,186.006) 248.677,186.152
EXT6.LVDS_N4: IC4.H14 J15.15 | length 78.5
  TopLayer w0.095: IC4.H14@237.991,222.515 v2(238.491,223.015)
  MidLayer2 w0.115: v2(238.491,223.015) 238.874,222.633 244.293,222.633 244.322,222.603 248.589,222.603 248.618,222.574 250.168,221.024 251.257,219.935 252.314,219.935 253.934,218.316 253.934,213.569 253.835,213.47 253.835,211.454 253.934,211.355 253.934,208.606 253.514,208.186 253.514,206.534 253.216,206.236 253.216,201.656 253.337,201.535 253.337,198.213 253.292,198.169 252.904,197.78 cw(c252.591,198.093) 252.278,197.78 252.031,198.028 ccw(c251.884,197.881) 251.737,198.028 ccw(c251.884,197.881) 251.737,197.734 251.985,197.487 cw(c251.672,197.174) 252.114,197.174 cw(c251.672,197.174) 251.985,196.861 251.895,196.772 251.895,184.554 250.748,183.407 cw(c250.435,183.72) 250.122,183.407 249.875,183.654 ccw(c249.728,183.507) 249.582,183.655 ; J15.15@242.062,178.308 243.326,179.572 246.913,179.572 247.071,179.73 ccw(c246.758,180.043) 247.201,180.043 ccw(c246.758,180.043) 247.071,180.356 246.823,180.603 cw(c246.97,180.75) 246.823,180.896 cw(c246.97,180.75) 247.117,180.896 248.071,179.942 ccw(c248.384,180.255) 248.697,179.942 ccw(c248.384,180.255) 248.827,180.255 ccw(c248.384,180.255) 248.697,180.568 247.743,181.522 cw(c247.889,181.669) 247.742,181.815 cw(c247.889,181.669) 248.036,181.816 248.991,180.861 ccw(c249.304,181.174) 249.617,180.861 ccw(c249.304,181.174) 249.746,181.174 ccw(c249.304,181.174) 249.617,181.487 248.662,182.442 cw(c248.809,182.588) 248.661,182.735 ; 248.662,182.735 cw(c248.809,182.588) 248.955,182.735 249.91,181.78 ccw(c250.223,182.093) 250.536,181.78 ccw(c250.223,182.093) 250.665,182.093 ccw(c250.223,182.093) 250.536,182.406 249.581,183.361 cw(c249.728,183.507) 249.581,183.654
EXT6.LVDS_N5: IC4.H22 J15.18 | length 79.3
  TopLayer w0.095: IC4.H22@245.991,222.515 246.381,222.125 247.481,222.125 248.156,221.45 v2@250.495,221.45
  MidLayer2 w0.115: J15.18@244.602,175.768 243.557,175.768 243.488,175.837 243.488,176.606 243.761,176.879 245.622,176.879 ccw(c245.622,177.322) 246.064,177.322 246.064,177.672 cw(c246.272,177.672) 246.479,177.672 246.479,176.322 ccw(c246.922,176.322) 247.364,176.322 247.364,176.672 cw(c247.572,176.672) 247.572,176.879 248.13,176.879 248.375,177.125 ccw(c248.062,177.438) 248.505,177.438 ccw(c248.062,177.438) 248.375,177.75 248.246,177.88 cw(c248.392,178.027) 248.245,178.173 cw(c248.392,178.027) 248.539,178.174 249.258,177.455 ccw(c249.571,177.768) 250.013,177.768 ccw(c249.571,177.768) 249.884,178.08 249.165,178.799 cw(c249.312,178.946) 249.164,179.092 ; 249.165,179.093 cw(c249.312,178.946) 249.458,179.093 250.177,178.374 ccw(c250.49,178.687) 250.933,178.687 ccw(c250.49,178.687) 250.803,179 250.084,179.719 cw(c250.231,179.865) 250.084,180.012 ; 250.084,180.012 cw(c250.231,179.865) 250.378,180.012 251.097,179.293 ccw(c251.409,179.606) 251.852,179.606 ccw(c251.409,179.606) 251.722,179.919 251.003,180.638 cw(c251.15,180.785) 251.003,180.931 ; v2(250.531,221.511) 250.536,221.511 250.72,221.695 250.72,221.832 250.925,222.037 251.387,222.037 251.976,221.448 252.06,221.448 254.824,218.684 254.824,213.2 254.725,213.101 254.725,211.823 254.824,211.724 254.824,209.684 255.256,209.251 255.256,206.849 254.435,206.028 254.435,197.921 253.074,196.56 253.074,196.35 253.074,195.532 253.074,191.467 253.074,183.5 cw(c252.631,183.5) 252.631,183.058 251.648,183.058 ccw(c251.648,182.85) 251.648,182.642 252.631,182.642 cw(c252.631,182.2) 253.074,182.2 253.074,181.823 252.512,181.261 ccw(c252.659,181.115) 252.512,180.968 252.642,180.838 cw(c252.329,180.525) 252.771,180.525 cw(c252.329,180.525) 252.016,180.212 251.297,180.931 ccw(c251.15,180.785) 251.003,180.931
EXT6.LVDS_N6: IC4.G13 J15.21 | length 86.4
  TopLayer w0.095: IC4.G13@236.991,223.515 v2(237.491,224.015)
  MidLayer2 w0.115: v2(237.491,224.015) 237.874,223.633 244.293,223.633 244.322,223.603 252.179,223.603 255.948,219.834 255.948,214.325 255.887,214.264 255.887,212.287 255.89,212.284 255.89,212.094 256.146,211.838 256.146,206.48 255.61,205.945 255.61,180.166 254.888,179.445 253.568,179.445 248.99,174.867 cw(c248.678,175.18) 248.365,174.867 248.134,175.098 ccw(c247.987,174.952) 247.84,175.098 ; J15.21@242.062,170.688 243.326,171.952 246.075,171.952 246.233,172.11 ccw(c245.92,172.423) 246.362,172.423 ccw(c245.92,172.423) 246.233,172.736 246.018,172.951 cw(c246.164,173.097) 246.017,173.244 ; 246.018,173.244 cw(c246.164,173.097) 246.311,173.244 247.217,172.338 ccw(c247.53,172.651) 247.842,172.338 ccw(c247.53,172.651) 247.972,172.651 ccw(c247.53,172.651) 247.842,172.964 246.921,173.886 cw(c247.068,174.032) 246.921,174.179 cw(c247.068,174.032) 247.215,174.179 248.136,173.258 ccw(c248.449,173.571) 248.762,173.258 ccw(c248.449,173.571) 248.891,173.571 ccw(c248.449,173.571) 248.762,173.884 247.84,174.805 cw(c247.987,174.952) 247.84,175.098
EXT6.LVDS_N7: IC4.G16 J15.24 | length 86.1
  TopLayer w0.095: IC4.G16@239.991,223.515 v2(240.491,224.015)
  MidLayer2 w0.115: v2(240.491,224.015) 240.874,224.398 244.171,224.398 244.2,224.368 247.401,224.368 247.48,224.29 253.579,224.29 256.819,221.05 256.819,207.614 256.812,207.607 256.812,207.033 256.819,207.026 256.819,197.563 257.941,196.441 257.941,177.961 257.09,177.111 253.363,177.111 252.016,175.764 252.016,173.406 247.652,169.042 247.339,168.728 cw(c247.192,168.875) 247.045,168.728 246.844,168.93 ccw(c246.697,168.783) 246.55,168.93 ccw(c246.697,168.783) 246.55,168.636 246.752,168.435 cw(c246.605,168.288) 246.752,168.142 cw(c246.605,168.288) 246.458,168.141 246.257,168.343 ccw(c246.11,168.196) 245.963,168.343 ccw(c246.11,168.196) 245.963,168.05 ; J15.24@244.602,168.148 244.174,168.148 243.513,167.488 243.513,167.259 243.615,167.157 245.768,167.157 246.165,167.555 ccw(c246.018,167.701) 246.165,167.848 245.963,168.05
EXT6.LVDS_P0: IC4.J19 J15.2 | length 80.8
  TopLayer w0.095: IC4.J19@242.991,221.515 v2(243.491,222.015)
  SignalLayer1 w0.115: v2@243.423,221.946 v2(243.491,222.015) 243.491,222.33 243.559,222.398 244.196,222.398 244.225,222.368 252.789,222.368 253.478,221.678 254.351,220.806 254.351,218.867 255.503,217.715 255.503,213.937 255.675,213.765 255.675,209.703 256.079,209.299 256.079,199.892 255.156,198.969 253.847,197.66 253.497,197.66 252.609,196.772 252.609,196.422 251.759,195.572 251.759,195.349 cw(c251.553,195.349) 251.553,195.143 250.702,195.143 ccw(c250.702,194.7) 250.702,194.258 252.111,194.258 cw(c252.111,194.05) 252.318,194.05 cw(c252.111,194.05) 252.111,193.843 251.505,193.843 ccw(c251.505,193.4) 251.505,192.958 251.877,192.958 cw(c251.877,192.782) 252.052,192.782 252.052,192.718 cw(c251.877,192.718) 251.877,192.543 251.51,192.543 ccw(c251.51,192.1) 251.51,191.658 251.552,191.658 cw(c251.552,191.45) 251.759,191.45 251.759,191.052 251.436,190.729 251.04,190.729 cw(c251.04,190.936) 250.833,190.936 250.833,193.286 ccw(c250.39,193.286) 249.948,193.286 249.948,187.936 cw(c249.74,187.936) 249.533,187.936 249.533,192.341 ccw(c249.09,192.341) 248.648,192.341 248.648,190.936 cw(c248.44,190.936) 248.44,190.729 248.314,190.729 248.055,190.988 248.055,192.2 249.257,193.402 ccw(c248.944,193.715) 249.387,193.715 ccw(c248.944,193.715) 249.257,194.028 ccw(c248.944,193.715) 248.631,194.028 247.065,194.028 246.275,194.818 245.745,194.818 245.484,195.078 243.913,195.078 243.793,195.199 243.793,195.377 244.504,196.088 J15.2@244.602,196.088
EXT6.LVDS_P1: IC4.H17 J15.5 | length 82.5
  TopLayer w0.095: IC4.H17@240.991,222.515 v2(241.491,223.015)
  BottomLayer w0.095: v2(241.491,223.015) 242.101,222.405 244.223,222.405 244.235,222.393 245.956,222.393 246.86,221.489 249.044,221.489 250.808,219.725 252.733,219.725 253.849,218.609 253.849,215.654 254.515,214.988 254.515,212.635 254.524,212.626 254.524,211.703 254.763,211.465 255.149,211.078 255.149,200.205 252.571,197.626 cw(c252.431,197.766) 252.292,197.626 251.932,197.986 ccw(c251.636,197.691) 251.341,197.986 ccw(c251.636,197.691) 251.341,197.396 252.762,195.975 cw(c252.622,195.836) 252.82,195.836 cw(c252.622,195.836) 252.762,195.696 cw(c252.622,195.836) 252.482,195.696 250.796,197.382 ccw(c250.501,197.087) 250.206,197.382 ccw(c250.501,197.087) 250.206,196.792 251.892,195.106 cw(c251.752,194.966) 251.95,194.966 cw(c251.752,194.966) 251.892,194.826 ; J15.5@242.062,191.008 243.166,191.008 243.222,191.064 243.222,191.991 243.56,192.329 244.919,192.329 245.01,192.329 245.418,192.329 ccw(c245.418,192.526) 245.616,192.526 245.616,193.236 cw(c246.033,193.236) 246.033,193.654 cw(c246.033,193.236) 246.451,193.236 246.451,192.526 ccw(c246.648,192.526) 246.648,192.329 247.273,192.329 247.352,192.408 ccw(c247.213,192.548) 247.41,192.548 ccw(c247.213,192.548) 247.352,192.687 246.727,193.313 cw(c247.022,193.608) 246.727,193.903 cw(c247.022,193.608) 247.317,193.903 249.003,192.217 ccw(c249.143,192.357) 249.282,192.217 ; 249.283,192.217 ccw(c249.143,192.357) 249.341,192.357 ccw(c249.143,192.357) 249.283,192.496 247.596,194.183 cw(c247.892,194.478) 247.596,194.773 cw(c247.892,194.478) 248.187,194.773 249.873,193.087 ccw(c250.013,193.226) 250.152,193.086 ; 250.153,193.087 ccw(c250.013,193.226) 250.21,193.226 ccw(c250.013,193.226) 250.153,193.366 248.466,195.053 cw(c248.761,195.348) 248.466,195.643 cw(c248.761,195.348) 249.056,195.643 250.743,193.957 ccw(c250.883,194.096) 251.022,193.956 ; 251.022,193.957 ccw(c250.883,194.096) 251.08,194.096 ccw(c250.883,194.096) 251.022,194.236 249.336,195.922 cw(c249.631,196.217) 249.336,196.513 cw(c249.631,196.217) 249.926,196.513 251.613,194.826 ccw(c251.752,194.966) 251.892,194.826
EXT6.LVDS_P2: IC4.H20 J15.8 | length 79.3
  TopLayer w0.095: IC4.H20@243.991,222.515 244.462,222.986 v2(244.481,222.986)
  BottomLayer w0.095: v2(244.481,222.986) 244.481,223.004 244.867,223.39 246.179,223.39 247.028,222.541 252.753,222.541 255.424,219.87 255.424,217.32 258.239,214.506 258.239,204.519 258.239,204.004 cw(c257.941,204.004) 257.941,203.706 257.123,203.706 ccw(c257.123,203.189) 256.605,203.189 ccw(c257.123,203.189) 257.123,202.671 257.941,202.671 cw(c257.941,202.374) 258.239,202.374 258.239,200.319 255.518,197.599 255.389,197.47 255.389,195.815 254.525,194.95 253.76,194.95 252.031,193.221 252.031,193.018 ccw(c252.439,193.018) 252.439,192.61 252.544,192.61 cw(c252.544,192.423) 252.731,192.423 cw(c252.544,192.423) 252.544,192.235 251.739,192.235 ccw(c251.739,191.828) 251.739,191.42 251.844,191.42 cw(c251.844,191.233) 252.031,191.233 252.031,190.525 251.952,190.445 251.952,189.955 252.031,189.875 252.031,187.594 251.838,187.401 251.047,187.401 cw(c251.047,187.589) 250.86,187.589 250.86,188.994 ccw(c250.452,188.994) 250.045,188.994 250.045,187.589 cw(c249.857,187.589) 249.67,187.589 249.67,188.994 ccw(c249.262,188.994) 248.855,188.994 248.855,187.589 cw(c248.667,187.589) 248.48,187.589 248.48,188.994 ccw(c248.072,188.994) 247.665,188.994 247.665,187.589 cw(c247.477,187.589) 247.29,187.589 247.29,188.994 ccw(c246.882,188.994) 246.475,188.994 246.475,187.589 cw(c246.287,187.589) 246.287,187.401 246.13,187.401 cw(c246.13,187.544) 245.987,187.544 245.987,187.904 ccw(c245.789,187.904) 245.789,188.101 ccw(c245.789,187.904) 245.592,187.904 245.592,187.599 cw(c245.394,187.599) 245.394,187.401 243.869,187.401 243.691,187.579 243.691,187.731 244.428,188.468 J15.8@244.602,188.468
EXT6.LVDS_P3: IC4.K17 J15.11 | length 78.7
  TopLayer w0.095: IC4.K17@240.991,220.515 v2(241.491,221.015)
  MidLayer2 w0.115: v2(241.491,221.015) 241.874,221.398 244.177,221.398 244.206,221.368 244.718,221.368 244.733,221.383 245.218,221.383 245.239,221.362 245.75,221.362 245.771,221.383 248.149,221.383 250.469,219.062 251.709,219.062 252.708,218.063 252.708,209.058 252.482,208.832 252.482,207.046 252.255,206.82 251.427,205.992 251.427,200.27 250.467,199.31 250.467,193.429 ccw(c250.909,193.429) 250.909,192.986 250.959,192.986 cw(c250.959,192.779) 251.167,192.779 cw(c250.959,192.779) 250.959,192.571 250.209,192.571 ccw(c250.209,192.129) 250.209,191.686 250.959,191.686 cw(c250.959,191.479) 251.167,191.479 cw(c250.959,191.479) 250.959,191.271 250.209,191.271 ccw(c250.209,190.829) 250.209,190.386 250.959,190.386 cw(c250.959,190.179) 251.167,190.179 cw(c250.959,190.179) 250.959,189.971 250.209,189.971 ccw(c250.209,189.529) 250.209,189.086 250.959,189.086 cw(c250.959,188.879) 251.167,188.879 cw(c250.959,188.879) 250.959,188.671 250.209,188.671 ccw(c250.209,188.229) 250.209,187.786 250.959,187.786 cw(c250.959,187.579) 251.167,187.579 cw(c250.959,187.579) 250.959,187.371 250.209,187.371 ccw(c250.209,186.929) 250.209,186.486 250.259,186.486 cw(c250.259,186.279) 250.467,186.279 250.467,186.152 250.032,185.717 cw(c249.885,185.864) 249.738,185.717 249.137,186.318 ccw(c248.824,186.006) 248.511,186.318 ccw(c248.824,186.006) 248.511,185.693 249.112,185.092 cw(c248.966,184.945) 249.173,184.945 cw(c248.966,184.945) 249.112,184.798 249.023,184.709 248.567,184.709 ccw(c248.567,184.266) 248.124,184.266 248.124,183.416 cw(c247.917,183.416) 247.709,183.416 247.709,185.766 ccw(c247.267,185.766) 246.824,185.766 246.824,183.416 cw(c246.617,183.416) 246.409,183.416 246.409,185.193 ccw(c245.967,185.193) 245.524,185.193 245.524,184.916 cw(c245.317,184.916) 245.317,184.709 243.816,184.709 242.495,183.388 J15.11@242.062,183.388
EXT6.LVDS_P4: IC4.J14 J15.14 | length 77.9
  TopLayer w0.095: IC4.J14@237.991,221.515 v2(238.491,222.015)
  MidLayer2 w0.115: v2(238.491,222.015) 238.874,222.398 244.196,222.398 244.225,222.368 248.491,222.368 248.618,222.241 249.933,220.926 250.178,220.681 251.159,219.7 252.217,219.7 253.699,218.218 253.699,213.666 253.6,213.567 253.6,211.357 253.699,211.258 253.699,208.703 253.279,208.284 253.279,206.631 252.981,206.333 252.981,201.559 253.102,201.438 253.102,198.31 252.738,197.946 cw(c252.591,198.093) 252.444,197.946 252.197,198.194 ccw(c251.884,197.881) 251.571,198.194 ccw(c251.884,197.881) 251.571,197.568 251.819,197.321 cw(c251.672,197.174) 251.879,197.174 cw(c251.672,197.174) 251.819,197.027 251.66,196.869 251.66,184.652 250.582,183.573 cw(c250.435,183.72) 250.288,183.573 250.041,183.82 ccw(c249.728,183.507) 249.415,183.82 ccw(c249.728,183.507) 249.415,183.195 250.37,182.24 cw(c250.223,182.093) 250.43,182.093 cw(c250.223,182.093) 250.37,181.947 cw(c250.223,182.093) 250.076,181.947 249.122,182.901 ccw(c248.809,182.588) 248.496,182.901 ccw(c248.809,182.588) 248.496,182.275 249.45,181.321 cw(c249.304,181.174) 249.511,181.174 cw(c249.304,181.174) 249.45,181.027 ; J15.14@244.326,180.848 243.666,180.188 243.666,179.984 243.844,179.807 245.569,179.807 ccw(c245.569,180.014) 245.777,180.014 245.777,180.299 cw(c245.984,180.299) 245.984,180.507 cw(c245.984,180.299) 246.192,180.299 246.192,180.014 ccw(c246.399,180.014) 246.399,179.807 246.569,179.807 246.815,179.807 246.905,179.896 ccw(c246.758,180.043) 246.966,180.043 ccw(c246.758,180.043) 246.905,180.189 246.657,180.437 cw(c246.97,180.75) 246.657,181.063 cw(c246.97,180.75) 247.283,181.063 248.238,180.108 ccw(c248.384,180.255) 248.531,180.108 ; 248.531,180.108 ccw(c248.384,180.255) 248.592,180.255 ccw(c248.384,180.255) 248.531,180.402 247.576,181.356 cw(c247.889,181.669) 247.576,181.982 cw(c247.889,181.669) 248.202,181.982 249.157,181.027 ccw(c249.304,181.174) 249.45,181.027